# KiCad board panel_mousebites.kicad_pcb (continued)
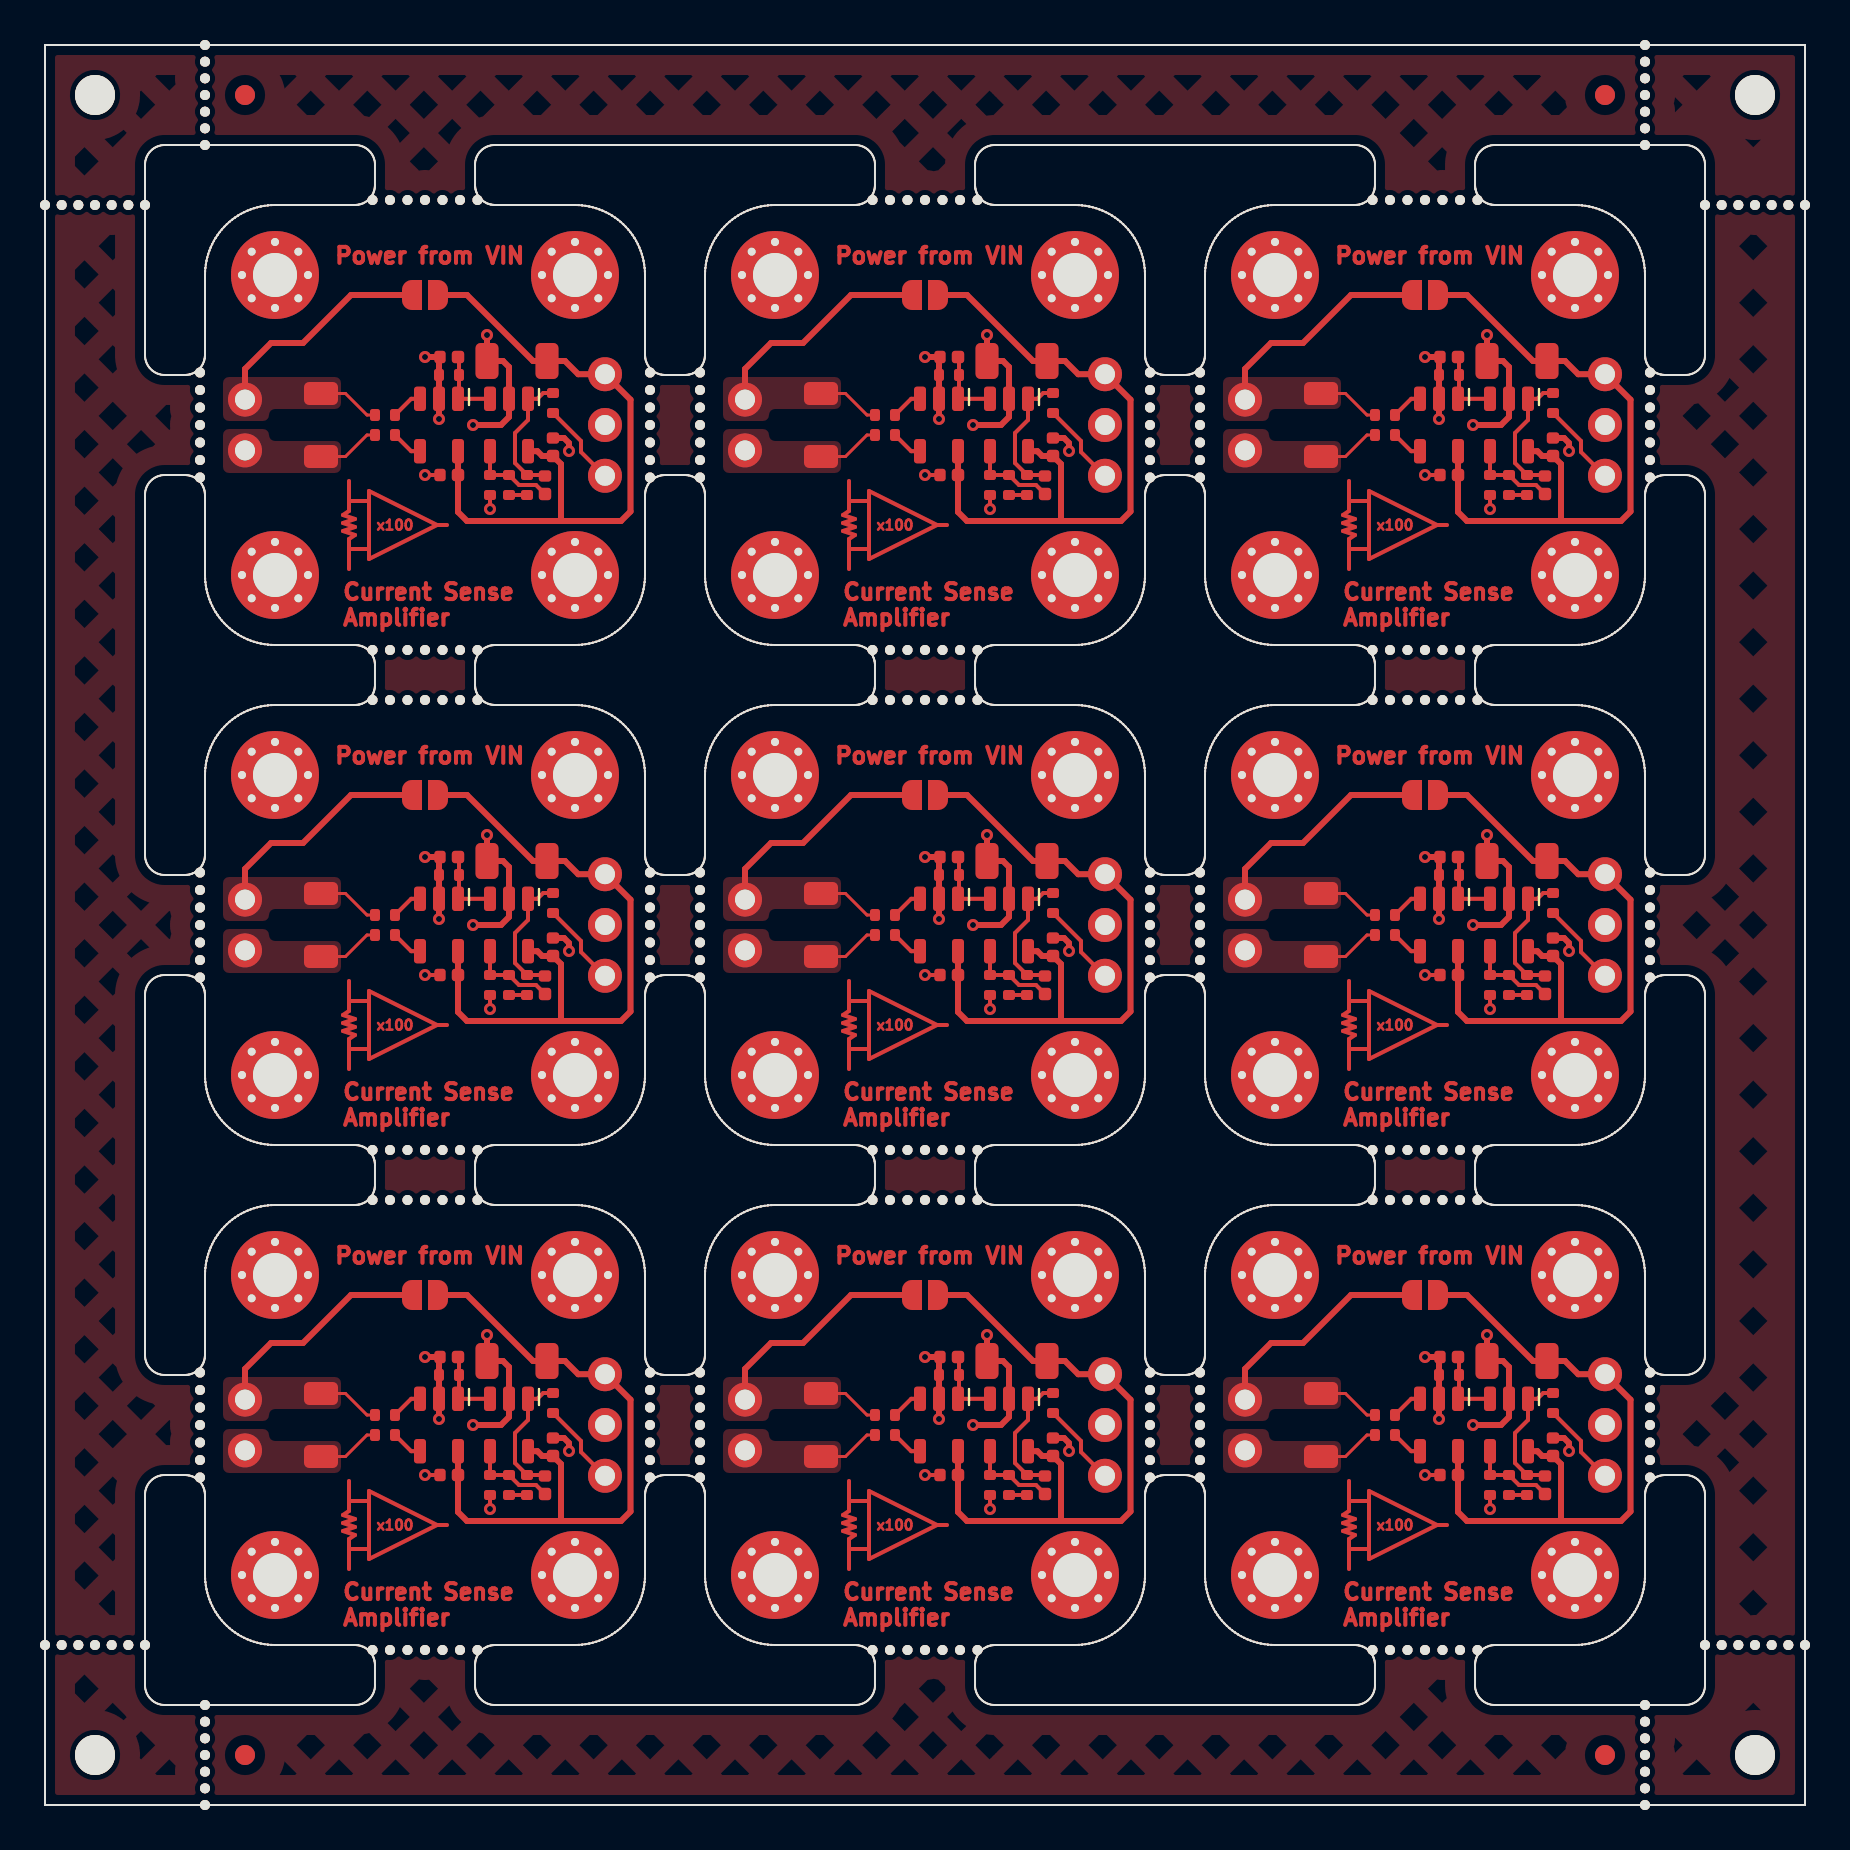
[diagram p0: board, top side]
## Placement (name value [footprint] x y rotation side) (continued)
REF**#129  -  [NPTH]  17.25 32.75 0 top
REF**#130  -  [NPTH]  41.37 55.25 0 top
REF**#131  -  [NPTH]  57.75 66.37 0 top
REF**#132  -  [NPTH]  30.25 70.75 0 top
REF**#133  -  [NPTH]  44.88 80.25 0 top
REF**#134  -  [NPTH]  8 1.67 0 top
REF**#135  -  [NPTH]  57.75 42.25 0 top
REF**#136  -  [NPTH]  55.25 41.37 0 top
REF**#137  -  [NPTH]  57.75 69 0 top
REF**#138  -  [NPTH]  32.75 66.37 0 top
REF**#139  -  [NPTH]  45.75 7.75 0 top
REF**#140  -  [NPTH]  21.63 32.75 0 top
REF**#141  -  [NPTH]  57.75 18.12 0 top
REF**#142  -  [NPTH]  30.25 16.37 0 top
REF**#143  -  [NPTH]  67.25 32.75 0 top
REF**#144  -  [NPTH]  8 87.17 0 top
REF**#145  -  [NPTH]  80.25 41.37 0 top
REF**#146  -  [NPTH]  80.25 44 0 top
REF**#147  -  [NPTH]  30.25 69.88 0 top
REF**#148  -  [NPTH]  80 5 0 top
REF**#149  -  [NPTH]  83 8 0 top
REF**#150  -  [NPTH]  68.12 7.75 0 top
REF**#151  -  [NPTH]  19.88 7.75 0 top
REF**#152  -  [NPTH]  66.37 55.25 0 top
REF**#153  -  [NPTH]  57.75 19.88 0 top
REF**#154  -  [NPTH]  80 0.83 0 top
REF**#155  -  [NPTH]  55.25 69 0 top
REF**#156  -  [NPTH]  8 86.33 0 top
REF**#157  -  [NPTH]  44.88 55.25 0 top
REF**#158  -  [NPTH]  80.25 67.25 0 top
REF**#159  -  [NPTH]  83.83 80 0 top
REF**#160  -  [NPTH]  8 4.17 0 top
REF**#161  -  [NPTH]  21.63 55.25 0 top
REF**#162  -  [Fiducial]  78 85.5 0 top
REF**#163  -  [NPTH]  32.75 45.75 0 top
REF**#164  -  [NPTH]  42.25 55.25 0 top
REF**#165  -  [NPTH]  80.25 42.25 0 top
REF**#166  -  [NPTH#2]  2.5 85.5 0 top
REF**#167  -  [NPTH]  69.88 7.75 0 top
REF**#168  -  [NPTH]  80 0 0 top
REF**#169  -  [NPTH]  4.17 80 0 top
REF**#170  -  [NPTH]  55.25 42.25 0 top
REF**#171  -  [NPTH]  30.25 66.37 0 top
REF**#172  -  [NPTH]  44.88 30.25 0 top
REF**#173  -  [NPTH]  32.75 71.63 0 top
REF**#174  -  [NPTH]  21.63 80.25 0 top
REF**#175  -  [NPTH]  70.75 30.25 0 top
REF**#176  -  [NPTH]  16.37 55.25 0 top
REF**#177  -  [NPTH]  8 85.5 0 top
REF**#178  -  [NPTH]  55.25 16.37 0 top
REF**#179  -  [NPTH]  45.75 55.25 0 top
REF**#180  -  [NPTH]  69.88 80.25 0 top
REF**#181  -  [NPTH]  7.75 42.25 0 top
REF**#182  -  [NPTH]  16.37 30.25 0 top
REF**#183  -  [NPTH]  30.25 18.12 0 top
REF**#184  -  [NPTH]  42.25 7.75 0 top
REF**#185  -  [NPTH]  44 7.75 0 top
REF**#186  -  [NPTH]  71.63 55.25 0 top
REF**#187  -  [NPTH]  44 80.25 0 top
REF**#188  -  [NPTH]  57.75 21.63 0 top
REF**#189  -  [NPTH]  55.25 71.63 0 top
REF**#190  -  [NPTH]  30.25 71.63 0 top
REF**#191  -  [NPTH]  43.12 30.25 0 top
REF**#192  -  [NPTH]  2.5 8 0 top
REF**#193  -  [NPTH]  66.37 80.25 0 top
REF**#194  -  [NPTH]  20.75 30.25 0 top
REF**#195  -  [NPTH]  69 57.75 0 top
REF**#196  -  [NPTH]  8 5 0 top
REF**#197  -  [NPTH]  17.25 57.75 0 top
REF**#198  -  [NPTH]  32.75 20.75 0 top
REF**#199  -  [NPTH]  55.25 68.12 0 top
REF**#200  -  [NPTH]  32.75 19 0 top
REF**#201  -  [NPTH]  32.75 16.37 0 top
REF**#202  -  [NPTH]  69 80.25 0 top
REF**#203  -  [NPTH]  19.88 30.25 0 top
REF**#204  -  [NPTH]  19 30.25 0 top
REF**#205  -  [NPTH]  55.25 46.63 0 top
REF**#206  -  [NPTH]  80.25 19.88 0 top
REF**#207  -  [NPTH]  80.25 66.37 0 top
REF**#208  -  [NPTH]  80 4.17 0 top
REF**#209  -  [NPTH]  57.75 44.88 0 top
REF**#210  -  [NPTH]  0 8 0 top
REF**#211  -  [NPTH]  66.37 7.75 0 top
REF**#212  -  [NPTH]  1.67 80 0 top
REF**#213  -  [NPTH]  30.25 45.75 0 top
REF**#214  -  [NPTH]  16.37 80.25 0 top
REF**#215  -  [NPTH]  18.12 55.25 0 top
REF**#216  -  [NPTH]  55.25 18.12 0 top
REF**#217  -  [NPTH]  57.75 46.63 0 top
REF**#218  -  [NPTH]  7.75 71.63 0 top
REF**#219  -  [NPTH]  7.75 69 0 top
REF**#220  -  [NPTH]  0.83 8 0 top
REF**#221  -  [NPTH]  70.75 7.75 0 top
REF**#222  -  [NPTH]  19 55.25 0 top
REF**#223  -  [NPTH]  30.25 67.25 0 top
REF**#224  -  [NPTH]  69.88 32.75 0 top
REF**#225  -  [NPTH]  45.75 30.25 0 top
REF**#226  -  [NPTH]  41.37 80.25 0 top
REF**#227  -  [NPTH]  69.88 57.75 0 top
REF**#228  -  [NPTH]  7.75 20.75 0 top
REF**#229  -  [NPTH]  42.25 57.75 0 top
REF**#230  -  [NPTH]  7.75 44 0 top
REF**#231  -  [NPTH]  57.75 69.88 0 top
REF**#232  -  [NPTH]  18.12 80.25 0 top
REF**#233  -  [NPTH]  41.37 7.75 0 top
REF**#234  -  [NPTH]  41.37 32.75 0 top
REF**#235  -  [NPTH]  46.63 55.25 0 top
REF**#236  -  [NPTH]  17.25 55.25 0 top
REF**#237  -  [NPTH]  68.12 30.25 0 top
REF**#238  -  [NPTH]  70.75 55.25 0 top
REF**#239  -  [NPTH]  69 32.75 0 top
REF**#240  -  [NPTH]  70.75 57.75 0 top
REF**#241  -  [NPTH]  80.25 69 0 top
REF**#242  -  [NPTH]  7.75 66.37 0 top
REF**#243  -  [NPTH]  19 80.25 0 top
REF**#244  -  [NPTH]  20.75 32.75 0 top
REF**#245  -  [NPTH]  68.12 55.25 0 top
REF**#246  -  [NPTH]  44.88 57.75 0 top
REF**#247  -  [NPTH]  8 0 0 top
REF**#248  -  [NPTH]  67.25 57.75 0 top
REF**#249  -  [NPTH]  19.88 55.25 0 top
REF**#250  -  [NPTH]  45.75 80.25 0 top
REF**#251  -  [NPTH]  71.63 30.25 0 top
REF**#252  -  [NPTH]  21.63 7.75 0 top
REF**#253  -  [NPTH]  57.75 16.37 0 top
REF**#254  -  [NPTH]  8 2.5 0 top
REF**#255  -  [NPTH]  44.88 32.75 0 top
REF**#256  -  [NPTH]  80 84.67 0 top
REF**#257  -  [NPTH]  55.25 69.88 0 top
REF**#258  -  [NPTH]  32.75 67.25 0 top
REF**#259  -  [NPTH]  55.25 20.75 0 top
REF**#260  -  [NPTH]  83 80 0 top
REF**#261  -  [NPTH]  45.75 32.75 0 top
REF**#262  -  [NPTH]  18.12 57.75 0 top
REF**#263  -  [NPTH]  19.88 32.75 0 top
REF**#264  -  [NPTH]  86.33 80 0 top
REF**#265  -  [NPTH]  30.25 43.12 0 top
REF**#266  -  [NPTH]  30.25 19.88 0 top
REF**#267  -  [NPTH]  80.25 44.88 0 top
REF**#268  -  [NPTH]  32.75 18.12 0 top
REF**#269  -  [NPTH]  57.75 17.25 0 top
REF**#270  -  [NPTH]  7.75 70.75 0 top
REF**#271  -  [Fiducial]  10 2.5 0 top
REF**#272  -  [NPTH]  55.25 44 0 top
REF**#273  -  [NPTH]  41.37 57.75 0 top
REF**#274  -  [NPTH]  85.5 8 0 top
REF**#275  -  [NPTH]  71.63 57.75 0 top
REF**#276  -  [NPTH]  41.37 30.25 0 top
REF**#277  -  [NPTH]  57.75 67.25 0 top
REF**#278  -  [NPTH]  8 3.33 0 top
REF**#279  -  [NPTH]  8 83.83 0 top
REF**#280  -  [NPTH]  19.88 80.25 0 top
REF**#281  -  [NPTH]  42.25 30.25 0 top
REF**#282  -  [NPTH]  71.63 7.75 0 top
REF**#283  -  [NPTH]  30.25 68.12 0 top
REF**#284  -  [NPTH]  30.25 20.75 0 top
REF**#285  -  [NPTH]  84.67 80 0 top
REF**#286  -  [NPTH]  80 83.83 0 top
REF**#287  -  [NPTH]  7.75 21.63 0 top
REF**#288  -  [NPTH]  16.37 32.75 0 top
REF**#289  -  [NPTH]  7.75 19 0 top
REF**#290  -  [NPTH]  43.12 7.75 0 top
REF**#291  -  [NPTH]  7.75 41.37 0 top
REF**#292  -  [NPTH]  32.75 42.25 0 top
REF**#293  -  [NPTH]  55.25 43.12 0 top
REF**#294  -  [NPTH]  55.25 45.75 0 top
REF**#295  -  [NPTH]  80.25 21.63 0 top
REF**#296  -  [NPTH]  17.25 7.75 0 top
REF**#297  -  [NPTH]  8 0.83 0 top
REF**#298  -  [NPTH#2]  85.5 2.5 0 top
REF**#299  -  [NPTH]  18.12 7.75 0 top
REF**#300  -  [NPTH]  8 88 0 top
REF**#301  -  [NPTH]  80.25 70.75 0 top
REF**#302  -  [NPTH]  46.63 7.75 0 top
REF**#303  -  [NPTH]  7.75 19.88 0 top
REF**#304  -  [NPTH]  30.25 17.25 0 top
REF**#305  -  [NPTH]  32.75 41.37 0 top
REF**#306  -  [NPTH]  80 1.67 0 top
REF**#307  -  [NPTH]  44 57.75 0 top
REF**#308  -  [NPTH]  66.37 30.25 0 top
REF**#309  -  [NPTH]  87.17 80 0 top
REF**#310  -  [NPTH]  46.63 32.75 0 top
REF**#311  -  [NPTH]  19 7.75 0 top
REF**#312  -  [NPTH]  20.75 80.25 0 top
REF**#313  -  [NPTH]  80 85.5 0 top
REF**#314  -  [NPTH]  80 2.5 0 top
REF**#315  -  [NPTH]  69 55.25 0 top
REF**#316  -  [NPTH]  70.75 32.75 0 top
REF**#317  -  [Fiducial]  78 85.5 0 bottom
REF**#318  -  [Fiducial]  78 2.5 0 bottom
REF**#319  -  [Fiducial]  10 2.5 0 bottom
REF**#320  -  [Fiducial]  10 85.5 0 bottom
U1  LT6106  [SOT-23-5]  19.7 44 270 top
U1#2  LT6106  [SOT-23-5]  44.7 69 270 top
U1#3  LT6106  [SOT-23-5]  69.7 69 270 top
U1#4  LT6106  [SOT-23-5]  19.7 69 270 top
U1#5  LT6106  [SOT-23-5]  19.7 19 270 top
U1#6  LT6106  [SOT-23-5]  69.7 44 270 top
U1#7  LT6106  [SOT-23-5]  69.7 19 270 top
U1#8  LT6106  [SOT-23-5]  44.7 19 270 top
U1#9  LT6106  [SOT-23-5]  44.7 44 270 top
U2  OPA189  [SOT-23-5]  73.2 69 270 top
U2#2  OPA189  [SOT-23-5]  23.2 44 270 top
U2#3  OPA189  [SOT-23-5]  73.2 44 270 top
U2#4  OPA189  [SOT-23-5]  23.2 69 270 top
U2#5  OPA189  [SOT-23-5]  23.2 19 270 top
U2#6  OPA189  [SOT-23-5]  73.2 19 270 top
U2#7  OPA189  [SOT-23-5]  48.2 19 270 top
U2#8  OPA189  [SOT-23-5]  48.2 69 270 top
U2#9  OPA189  [SOT-23-5]  48.2 44 270 top

## Library data of the parts
C1 C1#2-C1#9 = -: Description: 2.2uF-10%-1206-X7R-50V; Distributor: Mouser; Distributor Part Number: 80-C1206C225K5R; Manufacturer: KEMET; Manufacturer Part Number: C1206C225K5RACTU
C2 C2#2-C2#9 C3 C3#2-C3#9 C5 C5#2-C5#9 = -: Description: 100nF-20%-0402-X7R-25V; Distributor: Mouser; Distributor Part Number: 80-C0402C104M3R; Manufacturer: KEMET; Manufacturer Part Number: C0402C104M3RACTU
C4 C4#2-C4#9 = -: Description: 22pF-5%-0402-C0G-50V; Distributor: Mouser; Distributor Part Number: 80-C0402C220J5G; Manufacturer: KEMET; Manufacturer Part Number: C0402C220J5GACTU
J1 J1#2-J1#9 = -: Description: PCB Header Strips 2.54mm pitch; Distributor: Mouser; Distributor Part Number: 200-TSW10208FS; Manufacturer: Samtec; Manufacturer Part Number: TSW-102-08-F-S
J2 J2#2-J2#9 = -: Description: PCB Header Strips 2.54mm pitch; Distributor: Mouser; Distributor Part Number: 200-TSW10308FS; Manufacturer: Samtec; Manufacturer Part Number: TSW-103-08-F-S
R1 R1#2-R1#9 = -: Description: 1R-0.1%-1206-125mW-25ppm; Distributor: Mouser; Distributor Part Number: 279-CPF1206B1R0E1; Manufacturer: TE Connectivity / Holsworthy; Manufacturer Part Number: CPF1206B1R0E1
R2 R2#2-R2#9 R3 R3#2-R3#9 = -: Description: 100R-0.05%-0402-62.5mW-10ppm; Distributor: Mouser; Distributor Part Number: 754-RG1005N-101-WT5; Manufacturer: Susumu; Manufacturer Part Number: RG1005N-101-W-T5
R4 R4#2-R4#9 R5 R5#2-R5#9 = -: Description: 1k-0.05%-0402-62.5mW-5ppm; Distributor: Mouser; Distributor Part Number: 754-RG1005V-102-WT1; Manufacturer: Susumu; Manufacturer Part Number: RG1005V-102-W-T1
R6 R6#2-R6#9 = -: Description: 6.8k-0.05%-0402-100mW-10ppm; Distributor: Digikey; Distributor Part Number: 10-ERA-2VRW6801XCT-ND; Manufacturer: Panasonic Electronic Components; Manufacturer Part Number: ERA-2VRW6801X
R7 R7#2-R7#9 = -: Description: 2.2k-0.05%-0402-100mW-10ppm; Distributor: Digikey; Distributor Part Number: 10-ERA-2VRW2201XCT-ND; Manufacturer: Panasonic Electronic Components; Manufacturer Part Number: ERA-2VRW2201X
R8 R8#2-R8#9 = -: Description: 220R-1%-0402-62.5mW-100ppm; Distributor: Mouser; Distributor Part Number: 603-RC0402FR-13220RL; Manufacturer: YAGEO; Manufacturer Part Number: RC0402FR-13220RL
U1 U1#2-U1#9 = -: Description: 36V Low Cost High Side Current Sensor; Distributor: Mouser; Distributor Part Number: 584-LT6106IS5#TRMPBF; Manufacturer: Analog Devices; Manufacturer Part Number: LT6106IS5#TRMPBF
U2 U2#2-U2#9 = -: Description: Precision Amplifier; Distributor: Mouser; Distributor Part Number: 595-OPA189IDBVR; Manufacturer: Texas Instruments; Manufacturer Part Number: OPA189IDBVR

## Footprints (pads in the part's own frame, mm; a bottom-side part is the same pattern mirrored in y, then rotated)
C_0402_(1005_Metric)
  rrect 0.62x0.62 smd: 1(-0.45,0)
  rrect 0.56x0.62 smd: 2(0.45,0)
C_1206_(3216_Metric)
  rrect 1.15x1.8 smd: 1(-1.5,0) 2(1.5,0)
Fiducial
  round 1 smd: (0,0)
MountingHole_M2
  round 0.7 hole 0.4: 1(-1.65,0) 1(-1.167,1.167) 1(-1.167,-1.167) 1(0,1.65) 1(0,-1.65) 1(1.167,1.167) 1(1.167,-1.167) 1(1.65,0)
  round 4.4 hole 2.2: 1(0,0)
NPTH
  round 0.5 hole 0.5 unplated: (0,0)
NPTH#2
  round 2 hole 2 unplated: (0,0)
PinHeader_1x02_P2.54mm_Vertical
  round 1.7 hole 1: 1(0,0)
  oval 1.7x1.7 hole 1: 2(0,-2.54)
PinHeader_1x03_P2.54mm_Vertical
  round 1.7 hole 1: 1(0,0)
  oval 1.7x1.7 hole 1: 2(0,-2.54) 3(0,-5.08)
R_0402_(1005_Metric)
  rrect 0.5x0.6 smd: 1(-0.5,0) 2(0.5,0)
R_1206_(3216_Metric)
  rrect 1.15x1.7 smd: 1(-1.575,0) 2(1.575,0)
SolderJumper-2
  custom 1x1.5 smd: 1(-0.65,0) 2(0.65,0)
SOT-23-5
  rrect 1.22x0.6 smd: 1(-1.31,0.95) 2(-1.31,0) 3(-1.31,-0.95) 4(1.31,-0.95) 5(1.31,0.95)

## Nets
Board_0-GND: C1#2.2 C2.2 C3#2.2 C5#5.2 J2#7.2 R4#8.1 R5#8.1 U1#4.2 U2#4.2
Board_0-Net-(C4-Pad2): C4#2.2 R7#3.2 R8#6.1 U2#4.1
Board_0-Net-(J1-Pad2): J1#7.2 R1#7.2 R3#2.1
Board_0-Net-(J2-Pad3): J2#7.3 R8#6.2
Board_0-Net-(R6-Pad2): R6#8.2 R7#3.1
Board_0-Net-(U1-+): R3#2.2 U1#4.4
Board_0-Net-(U1--): R2#4.2 U1#4.3
Board_0-Net-(U2-+): C5#5.1 R4#8.2 U1#4.1 U2#4.3
Board_0-Net-(U2--): C4#2.1 R5#8.2 R6#8.1 U2#4.4
Board_0-VCC: C1#2.1 C2.1 C3#2.1 J2#7.1 JP1#2.2 U1#4.5 U2#4.5
Board_0-VIN: J1#7.1 JP1#2.1 R1#7.1 R2#4.1
Board_1-GND: C1#4.2 C2#9.2 C3#9.2 C5#2.2 J2#3.2 R4#2.1 R5#4.1 U1#2.2 U2#8.2
Board_1-Net-(C4-Pad2): C4#3.2 R7.2 R8#3.1 U2#8.1
Board_1-Net-(J1-Pad2): J1#8.2 R1#4.2 R3#8.1
Board_1-Net-(J2-Pad3): J2#3.3 R8#3.2
Board_1-Net-(R6-Pad2): R6#2.2 R7.1
Board_1-Net-(U1-+): R3#8.2 U1#2.4
Board_1-Net-(U1--): R2#9.2 U1#2.3
Board_1-Net-(U2-+): C5#2.1 R4#2.2 U1#2.1 U2#8.3
Board_1-Net-(U2--): C4#3.1 R5#4.2 R6#2.1 U2#8.4
Board_1-VCC: C1#4.1 C2#9.1 C3#9.1 J2#3.1 JP1#8.2 U1#2.5 U2#8.5
Board_1-VIN: J1#8.1 JP1#8.1 R1#4.1 R2#9.1
Board_2-GND: C1#5.2 C2#8.2 C3#4.2 C5#4.2 J2#5.2 R4#4.1 R5#9.1 U1#3.2 U2.2
Board_2-Net-(C4-Pad2): C4#4.2 R7#4.2 R8#2.1 U2.1
Board_2-Net-(J1-Pad2): J1#2.2 R1#3.2 R3.1
Board_2-Net-(J2-Pad3): J2#5.3 R8#2.2
Board_2-Net-(R6-Pad2): R6#3.2 R7#4.1
Board_2-Net-(U1-+): R3.2 U1#3.4
Board_2-Net-(U1--): R2#7.2 U1#3.3
Board_2-Net-(U2-+): C5#4.1 R4#4.2 U1#3.1 U2.3
Board_2-Net-(U2--): C4#4.1 R5#9.2 R6#3.1 U2.4
Board_2-VCC: C1#5.1 C2#8.1 C3#4.1 J2#5.1 JP1#4.2 U1#3.5 U2.5
Board_2-VIN: J1#2.1 JP1#4.1 R1#3.1 R2#7.1
Board_3-GND: C1#9.2 C2#5.2 C3#3.2 C5#7.2 J2#2.2 R4#7.1 R5#5.1 U1.2 U2#2.2
Board_3-Net-(C4-Pad2): C4.2 R7#7.2 R8#5.1 U2#2.1
Board_3-Net-(J1-Pad2): J1#5.2 R1#9.2 R3#9.1
Board_3-Net-(J2-Pad3): J2#2.3 R8#5.2
Board_3-Net-(R6-Pad2): R6#4.2 R7#7.1
Board_3-Net-(U1-+): R3#9.2 U1.4
Board_3-Net-(U1--): R2.2 U1.3
Board_3-Net-(U2-+): C5#7.1 R4#7.2 U1.1 U2#2.3
Board_3-Net-(U2--): C4.1 R5#5.2 R6#4.1 U2#2.4
Board_3-VCC: C1#9.1 C2#5.1 C3#3.1 J2#2.1 JP1#5.2 U1.5 U2#2.5
Board_3-VIN: J1#5.1 JP1#5.1 R1#9.1 R2.1
Board_4-GND: C1#7.2 C2#2.2 C3.2 C5#9.2 J2#6.2 R4#6.1 R5#2.1 U1#9.2 U2#9.2
Board_4-Net-(C4-Pad2): C4#7.2 R7#2.2 R8#9.1 U2#9.1
Board_4-Net-(J1-Pad2): J1#9.2 R1#2.2 R3#5.1
Board_4-Net-(J2-Pad3): J2#6.3 R8#9.2
Board_4-Net-(R6-Pad2): R6#7.2 R7#2.1
Board_4-Net-(U1-+): R3#5.2 U1#9.4
Board_4-Net-(U1--): R2#2.2 U1#9.3
Board_4-Net-(U2-+): C5#9.1 R4#6.2 U1#9.1 U2#9.3
Board_4-Net-(U2--): C4#7.1 R5#2.2 R6#7.1 U2#9.4
Board_4-VCC: C1#7.1 C2#2.1 C3.1 J2#6.1 JP1#9.2 U1#9.5 U2#9.5
Board_4-VIN: J1#9.1 JP1#9.1 R1#2.1 R2#2.1
Board_5-GND: C1.2 C2#4.2 C3#6.2 C5#3.2 J2#4.2 R4.1 R5#3.1 U1#6.2 U2#3.2
Board_5-Net-(C4-Pad2): C4#5.2 R7#6.2 R8.1 U2#3.1
Board_5-Net-(J1-Pad2): J1#3.2 R1#5.2 R3#4.1
Board_5-Net-(J2-Pad3): J2#4.3 R8.2
Board_5-Net-(R6-Pad2): R6#9.2 R7#6.1
Board_5-Net-(U1-+): R3#4.2 U1#6.4
Board_5-Net-(U1--): R2#3.2 U1#6.3
Board_5-Net-(U2-+): C5#3.1 R4.2 U1#6.1 U2#3.3
Board_5-Net-(U2--): C4#5.1 R5#3.2 R6#9.1 U2#3.4
Board_5-VCC: C1.1 C2#4.1 C3#6.1 J2#4.1 JP1#7.2 U1#6.5 U2#3.5
Board_5-VIN: J1#3.1 JP1#7.1 R1#5.1 R2#3.1
Board_6-GND: C1#8.2 C2#6.2 C3#7.2 C5#8.2 J2.2 R4#9.1 R5.1 U1#5.2 U2#5.2
Board_6-Net-(C4-Pad2): C4#8.2 R7#8.2 R8#7.1 U2#5.1
Board_6-Net-(J1-Pad2): J1.2 R1.2 R3#3.1
Board_6-Net-(J2-Pad3): J2.3 R8#7.2
Board_6-Net-(R6-Pad2): R6#6.2 R7#8.1
Board_6-Net-(U1-+): R3#3.2 U1#5.4
Board_6-Net-(U1--): R2#5.2 U1#5.3
Board_6-Net-(U2-+): C5#8.1 R4#9.2 U1#5.1 U2#5.3
Board_6-Net-(U2--): C4#8.1 R5.2 R6#6.1 U2#5.4
Board_6-VCC: C1#8.1 C2#6.1 C3#7.1 J2.1 JP1#3.2 U1#5.5 U2#5.5
Board_6-VIN: J1.1 JP1#3.1 R1.1 R2#5.1
Board_7-GND: C1#3.2 C2#3.2 C3#8.2 C5.2 J2#8.2 R4#5.1 R5#6.1 U1#8.2 U2#7.2
Board_7-Net-(C4-Pad2): C4#9.2 R7#9.2 R8#8.1 U2#7.1
Board_7-Net-(J1-Pad2): J1#4.2 R1#6.2 R3#7.1
Board_7-Net-(J2-Pad3): J2#8.3 R8#8.2
Board_7-Net-(R6-Pad2): R6.2 R7#9.1
Board_7-Net-(U1-+): R3#7.2 U1#8.4
Board_7-Net-(U1--): R2#6.2 U1#8.3
Board_7-Net-(U2-+): C5.1 R4#5.2 U1#8.1 U2#7.3
Board_7-Net-(U2--): C4#9.1 R5#6.2 R6.1 U2#7.4
Board_7-VCC: C1#3.1 C2#3.1 C3#8.1 J2#8.1 JP1.2 U1#8.5 U2#7.5
Board_7-VIN: J1#4.1 JP1.1 R1#6.1 R2#6.1
Board_8-GND: C1#6.2 C2#7.2 C3#5.2 C5#6.2 J2#9.2 R4#3.1 R5#7.1 U1#7.2 U2#6.2
Board_8-Net-(C4-Pad2): C4#6.2 R7#5.2 R8#4.1 U2#6.1
Board_8-Net-(J1-Pad2): J1#6.2 R1#8.2 R3#6.1
Board_8-Net-(J2-Pad3): J2#9.3 R8#4.2
Board_8-Net-(R6-Pad2): R6#5.2 R7#5.1
Board_8-Net-(U1-+): R3#6.2 U1#7.4
Board_8-Net-(U1--): R2#8.2 U1#7.3
Board_8-Net-(U2-+): C5#6.1 R4#3.2 U1#7.1 U2#6.3
Board_8-Net-(U2--): C4#6.1 R5#7.2 R6#5.1 U2#6.4
Board_8-VCC: C1#6.1 C2#7.1 C3#5.1 J2#9.1 JP1#6.2 U1#7.5 U2#6.5
Board_8-VIN: J1#6.1 JP1#6.1 R1#8.1 R2#8.1

Pads without a net: H1 1; H1#2 1; H1#3 1; H1#4 1; H1#5 1; H1#6 1; H1#7 1; H1#8 1; H1#9 1; H2 1; H2#2 1; H2#3 1; H2#4 1; H2#5 1; H2#6 1; H2#7 1; H2#8 1; H2#9 1; H3 1; H3#2 1; H3#3 1; H3#4 1; H3#5 1; H3#6 1; H3#7 1; H3#8 1; H3#9 1; H4 1; H4#2 1; H4#3 1; H4#4 1; H4#5 1; H4#6 1; H4#7 1; H4#8 1; H4#9 1

## Via types
v1: diameter 0.6, hole 0.3, Top to Bottom, 63 vias

## Routing (per net, layer and track width the routed paths; a pad name or vN(x,y) marks a point on that pad's centre or on a via; arc(x,y) is an arc through that point)
Board_0-GND: length 13.6
  Top w0.2: C2.2 v1(19,66.5) ; R5#8.1 v1(22.25,64.8)
  Top w0.3: v1(19,72.4) C5#5.2 19.7,72.35 R4#8.1 U1#4.2 v1(19.7,69.3) ; v1(26.2,67.7) 26.2,68.1 25.95,68.35 C3#2.2 ; v1(21.4,69) 22.8,69 23.2,69.4 U2#4.2 23.2,71.9 22.9,72.2 C1#2.2 v1(22.1,73.5)
Board_0-Net-(C4-Pad2): length 6.6
  Top w0.2: R8#6.1 24.91,70.6 24.62,70.31 U2#4.1 24.15,69.25 23.5,68.6 23.5,67.1 R7#3.2 24.95,66.5 C4#2.2
Board_0-Net-(J1-Pad2): length 3.1
  Top w0.15: R1#7.2 15.03,67.42 16.1,68.5 R3#2.1
Board_0-Net-(J2-Pad3): length 4.2
  Top w0.2: J2#7.3 27.99,66.46 26.8,67.65 26.8,68.2 R8#6.2
Board_0-Net-(R6-Pad2): length 0.9
  Top w0.2: R7#3.1 R6#8.2
Board_0-Net-(U1-+): length 1.6
  Top w0.2: U1#4.4 18.31,67.69 R3#2.2
Board_0-Net-(U1--): length 1.6
  Top w0.2: R2#4.2 18.31,70.31 U1#4.3
Board_0-Net-(U2-+): length 3.7
  Top w0.2: U2#4.3 U1#4.1 20.7,70.36 R4#8.2 20.7,72.35 C5#5.1
Board_0-Net-(U2--): length 4.3
  Top w0.2: U2#4.4 R5#8.2 R6#8.1 23.7,66 24.55,66 C4#2.1
Board_0-VCC: length 34.2
  Top w0.3: U2#4.5 24.62,67.69 24.86,67.45 C3#2.1 25.8,67.05 25.8,64.2 ; JP1#2.2 21.1,75.5 24.4,72.2 C1#2.1 26,72.2 26.66,71.54 J2#7.1 29.28,70.27 29.28,64.67 28.8,64.2 21.1,64.2 20.65,64.65 C2.1 U1#4.5
Board_0-VIN: length 14.6
  Top w0.15: R2#4.1 16.1,69.5 15.03,70.58 R1#7.1
  Top w0.3: J1#7.1 10,71.8 11.3,73.1 12.9,73.1 15.3,75.5 JP1#2.1
Board_1-GND: length 13.6
  Top w0.2: R5#4.1 v1(47.25,64.8) ; C2#9.2 v1(44,66.5)
  Top w0.3: C3#9.2 50.95,68.35 51.2,68.1 v1(51.2,67.7) ; v1(44,72.4) C5#2.2 44.7,72.35 R4#2.1 U1#2.2 v1(44.7,69.3) ; v1(47.1,73.5) C1#4.2 47.9,72.2 48.2,71.9 U2#8.2 48.2,69.4 47.8,69 v1(46.4,69)
Board_1-Net-(C4-Pad2): length 6.6
  Top w0.2: C4#3.2 49.95,66.5 R7.2 48.5,67.1 48.5,68.6 49.15,69.25 U2#8.1 49.62,70.31 49.91,70.6 R8#3.1
Board_1-Net-(J1-Pad2): length 3.1
  Top w0.15: R3#8.1 41.1,68.5 40.03,67.42 R1#4.2
Board_1-Net-(J2-Pad3): length 4.2
  Top w0.2: R8#3.2 51.8,68.2 51.8,67.65 52.99,66.46 J2#3.3
Board_1-Net-(R6-Pad2): length 0.9
  Top w0.2: R7.1 R6#2.2
Board_1-Net-(U1-+): length 1.6
  Top w0.2: U1#2.4 43.31,67.69 R3#8.2
Board_1-Net-(U1--): length 1.6
  Top w0.2: U1#2.3 43.31,70.31 R2#9.2
Board_1-Net-(U2-+): length 3.7
  Top w0.2: U2#8.3 U1#2.1 45.7,70.36 R4#2.2 45.7,72.35 C5#2.1
Board_1-Net-(U2--): length 4.3
  Top w0.2: C4#3.1 49.55,66 48.7,66 R6#2.1 R5#4.2 U2#8.4
Board_1-VCC: length 34.2
  Top w0.3: U2#8.5 49.62,67.69 49.86,67.45 C3#9.1 50.8,67.05 50.8,64.2 ; JP1#8.2 46.1,75.5 49.4,72.2 C1#4.1 51,72.2 51.66,71.54 J2#3.1 54.28,70.27 54.28,64.67 53.8,64.2 46.1,64.2 45.65,64.65 C2#9.1 U1#2.5
Board_1-VIN: length 14.6
  Top w0.15: R1#4.1 40.03,70.58 41.1,69.5 R2#9.1
  Top w0.3: J1#8.1 35,71.8 36.3,73.1 37.9,73.1 40.3,75.5 JP1#8.1
Board_2-GND: length 13.6
  Top w0.2: C2#8.2 v1(69,66.5) ; R5#9.1 v1(72.25,64.8)
  Top w0.3: v1(71.4,69) 72.8,69 73.2,69.4 U2.2 73.2,71.9 72.9,72.2 C1#5.2 v1(72.1,73.5) ; v1(69.7,69.3) U1#3.2 R4#4.1 69.7,72.35 C5#4.2 v1(69,72.4) ; C3#4.2 75.95,68.35 76.2,68.1 v1(76.2,67.7)
Board_2-Net-(C4-Pad2): length 6.6
  Top w0.2: R8#2.1 74.91,70.6 74.62,70.31 U2.1 74.15,69.25 73.5,68.6 73.5,67.1 R7#4.2 74.95,66.5 C4#4.2
Board_2-Net-(J1-Pad2): length 3.1
  Top w0.15: R1#3.2 65.03,67.42 66.1,68.5 R3.1
Board_2-Net-(J2-Pad3): length 4.2
  Top w0.2: R8#2.2 76.8,68.2 76.8,67.65 77.99,66.46 J2#5.3
Board_2-Net-(R6-Pad2): length 0.9
  Top w0.2: R7#4.1 R6#3.2
Board_2-Net-(U1-+): length 1.6
  Top w0.2: R3.2 68.31,67.69 U1#3.4
Board_2-Net-(U1--): length 1.6
  Top w0.2: R2#7.2 68.31,70.31 U1#3.3
Board_2-Net-(U2-+): length 3.7
  Top w0.2: C5#4.1 70.7,72.35 R4#4.2 70.7,70.36 U1#3.1 U2.3
Board_2-Net-(U2--): length 4.3
  Top w0.2: C4#4.1 74.55,66 73.7,66 R6#3.1 R5#9.2 U2.4
Board_2-VCC: length 34.2
  Top w0.3: U2.5 74.62,67.69 74.86,67.45 C3#4.1 75.8,67.05 75.8,64.2 ; U1#3.5 C2#8.1 70.65,64.65 71.1,64.2 78.8,64.2 79.28,64.67 79.28,70.27 J2#5.1 76.66,71.54 76,72.2 C1#5.1 74.4,72.2 71.1,75.5 JP1#4.2
Board_2-VIN: length 14.6
  Top w0.15: R2#7.1 66.1,69.5 65.03,70.58 R1#3.1
  Top w0.3: J1#2.1 60,71.8 61.3,73.1 62.9,73.1 65.3,75.5 JP1#4.1
Board_3-GND: length 13.6
  Top w0.2: R5#5.1 v1(22.25,39.8) ; C2#5.2 v1(19,41.5)
  Top w0.3: C3#3.2 25.95,43.35 26.2,43.1 v1(26.2,42.7) ; v1(22.1,48.5) C1#9.2 22.9,47.2 23.2,46.9 U2#2.2 23.2,44.4 22.8,44 v1(21.4,44) ; v1(19.7,44.3) U1.2 R4#7.1 19.7,47.35 C5#7.2 v1(19,47.4)
Board_3-Net-(C4-Pad2): length 6.6
  Top w0.2: C4.2 24.95,41.5 R7#7.2 23.5,42.1 23.5,43.6 24.15,44.25 U2#2.1 24.62,45.31 24.91,45.6 R8#5.1
Board_3-Net-(J1-Pad2): length 3.1
  Top w0.15: R1#9.2 15.03,42.42 16.1,43.5 R3#9.1
Board_3-Net-(J2-Pad3): length 4.2
  Top w0.2: R8#5.2 26.8,43.2 26.8,42.65 27.99,41.46 J2#2.3
Board_3-Net-(R6-Pad2): length 0.9
  Top w0.2: R7#7.1 R6#4.2
Board_3-Net-(U1-+): length 1.6
  Top w0.2: R3#9.2 18.31,42.69 U1.4
Board_3-Net-(U1--): length 1.6
  Top w0.2: U1.3 18.31,45.31 R2.2
Board_3-Net-(U2-+): length 3.7
  Top w0.2: C5#7.1 20.7,47.35 R4#7.2 20.7,45.36 U1.1 U2#2.3
Board_3-Net-(U2--): length 4.3
  Top w0.2: U2#2.4 R5#5.2 R6#4.1 23.7,41 24.55,41 C4.1
Board_3-VCC: length 34.2
  Top w0.3: 25.8,39.2 25.8,42.05 C3#3.1 24.86,42.45 24.62,42.69 U2#2.5 ; U1.5 C2#5.1 20.65,39.65 21.1,39.2 28.8,39.2 29.28,39.67 29.28,45.27 J2#2.1 26.66,46.54 26,47.2 C1#9.1 24.4,47.2 21.1,50.5 JP1#5.2
Board_3-VIN: length 14.6
  Top w0.15: R2.1 16.1,44.5 15.03,45.58 R1#9.1
  Top w0.3: JP1#5.1 15.3,50.5 12.9,48.1 11.3,48.1 10,46.8 J1#5.1
Board_4-GND: length 13.6
  Top w0.2: R5#2.1 v1(47.25,39.8) ; C2#2.2 v1(44,41.5)
  Top w0.3: v1(47.1,48.5) C1#7.2 47.9,47.2 48.2,46.9 U2#9.2 48.2,44.4 47.8,44 v1(46.4,44) ; v1(44,47.4) C5#9.2 44.7,47.35 R4#6.1 U1#9.2 v1(44.7,44.3) ; C3.2 50.95,43.35 51.2,43.1 v1(51.2,42.7)
Board_4-Net-(C4-Pad2): length 6.6
  Top w0.2: R8#9.1 49.91,45.6 49.62,45.31 U2#9.1 49.15,44.25 48.5,43.6 48.5,42.1 R7#2.2 49.95,41.5 C4#7.2
Board_4-Net-(J1-Pad2): length 3.1
  Top w0.15: R1#2.2 40.03,42.42 41.1,43.5 R3#5.1
Board_4-Net-(J2-Pad3): length 4.2
  Top w0.2: R8#9.2 51.8,43.2 51.8,42.65 52.99,41.46 J2#6.3
Board_4-Net-(R6-Pad2): length 0.9
  Top w0.2: R7#2.1 R6#7.2
Board_4-Net-(U1-+): length 1.6
  Top w0.2: R3#5.2 43.31,42.69 U1#9.4
Board_4-Net-(U1--): length 1.6
  Top w0.2: R2#2.2 43.31,45.31 U1#9.3
Board_4-Net-(U2-+): length 3.7
  Top w0.2: U2#9.3 U1#9.1 45.7,45.36 R4#6.2 45.7,47.35 C5#9.1
Board_4-Net-(U2--): length 4.3
  Top w0.2: U2#9.4 R5#2.2 R6#7.1 48.7,41 49.55,41 C4#7.1
Board_4-VCC: length 34.2
  Top w0.3: U1#9.5 C2#2.1 45.65,39.65 46.1,39.2 53.8,39.2 54.28,39.67 54.28,45.27 J2#6.1 51.66,46.54 51,47.2 C1#7.1 49.4,47.2 46.1,50.5 JP1#9.2 ; 50.8,39.2 50.8,42.05 C3.1 49.86,42.45 49.62,42.69 U2#9.5
Board_4-VIN: length 14.6
  Top w0.15: R2#2.1 41.1,44.5 40.03,45.58 R1#2.1
  Top w0.3: J1#9.1 35,46.8 36.3,48.1 37.9,48.1 40.3,50.5 JP1#9.1
Board_5-GND: length 13.6
  Top w0.2: C2#4.2 v1(69,41.5) ; R5#3.1 v1(72.25,39.8)
  Top w0.3: v1(72.1,48.5) C1.2 72.9,47.2 73.2,46.9 U2#3.2 73.2,44.4 72.8,44 v1(71.4,44) ; v1(69.7,44.3) U1#6.2 R4.1 69.7,47.35 C5#3.2 v1(69,47.4) ; C3#6.2 75.95,43.35 76.2,43.1 v1(76.2,42.7)
Board_5-Net-(C4-Pad2): length 6.6
  Top w0.2: R8.1 74.91,45.6 74.62,45.31 U2#3.1 74.15,44.25 73.5,43.6 73.5,42.1 R7#6.2 74.95,41.5 C4#5.2
Board_5-Net-(J1-Pad2): length 3.1
  Top w0.15: R1#5.2 65.03,42.42 66.1,43.5 R3#4.1
Board_5-Net-(J2-Pad3): length 4.2
  Top w0.2: R8.2 76.8,43.2 76.8,42.65 77.99,41.46 J2#4.3
Board_5-Net-(R6-Pad2): length 0.9
  Top w0.2: R7#6.1 R6#9.2
Board_5-Net-(U1-+): length 1.6
  Top w0.2: R3#4.2 68.31,42.69 U1#6.4
Board_5-Net-(U1--): length 1.6
  Top w0.2: U1#6.3 68.31,45.31 R2#3.2
Board_5-Net-(U2-+): length 3.7
  Top w0.2: C5#3.1 70.7,47.35 R4.2 70.7,45.36 U1#6.1 U2#3.3
Board_5-Net-(U2--): length 4.3
  Top w0.2: C4#5.1 74.55,41 73.7,41 R6#9.1 R5#3.2 U2#3.4
Board_5-VCC: length 34.2
  Top w0.3: JP1#7.2 71.1,50.5 74.4,47.2 C1.1 76,47.2 76.66,46.54 J2#4.1 79.28,45.27 79.28,39.67 78.8,39.2 71.1,39.2 70.65,39.65 C2#4.1 U1#6.5 ; 75.8,39.2 75.8,42.05 C3#6.1 74.86,42.45 74.62,42.69 U2#3.5
Board_5-VIN: length 14.6
  Top w0.15: R2#3.1 66.1,44.5 65.03,45.58 R1#5.1
  Top w0.3: J1#3.1 60,46.8 61.3,48.1 62.9,48.1 65.3,50.5 JP1#7.1
Board_6-GND: length 13.6
  Top w0.2: R5.1 v1(22.25,14.8) ; C2#6.2 v1(19,16.5)
  Top w0.3: v1(19,22.4) C5#8.2 19.7,22.35 R4#9.1 U1#5.2 v1(19.7,19.3) ; v1(26.2,17.7) 26.2,18.1 25.95,18.35 C3#7.2 ; v1(22.1,23.5) C1#8.2 22.9,22.2 23.2,21.9 U2#5.2 23.2,19.4 22.8,19 v1(21.4,19)
Board_6-Net-(C4-Pad2): length 6.6
  Top w0.2: C4#8.2 24.95,16.5 R7#8.2 23.5,17.1 23.5,18.6 24.15,19.25 U2#5.1 24.62,20.31 24.91,20.6 R8#7.1
Board_6-Net-(J1-Pad2): length 3.1
  Top w0.15: R3#3.1 16.1,18.5 15.03,17.42 R1.2
Board_6-Net-(J2-Pad3): length 4.2
  Top w0.2: J2.3 27.99,16.46 26.8,17.65 26.8,18.2 R8#7.2
Board_6-Net-(R6-Pad2): length 0.9
  Top w0.2: R7#8.1 R6#6.2
Board_6-Net-(U1-+): length 1.6
  Top w0.2: U1#5.4 18.31,17.69 R3#3.2
Board_6-Net-(U1--): length 1.6
  Top w0.2: R2#5.2 18.31,20.31 U1#5.3
Board_6-Net-(U2-+): length 3.7
  Top w0.2: C5#8.1 20.7,22.35 R4#9.2 20.7,20.36 U1#5.1 U2#5.3
Board_6-Net-(U2--): length 4.3
  Top w0.2: U2#5.4 R5.2 R6#6.1 23.7,16 24.55,16 C4#8.1
Board_6-VCC: length 34.2
  Top w0.3: JP1#3.2 21.1,25.5 24.4,22.2 C1#8.1 26,22.2 26.66,21.54 J2.1 29.28,20.27 29.28,14.67 28.8,14.2 21.1,14.2 20.65,14.65 C2#6.1 U1#5.5 ; U2#5.5 24.62,17.69 24.86,17.45 C3#7.1 25.8,17.05 25.8,14.2
Board_6-VIN: length 14.6
  Top w0.15: R2#5.1 16.1,19.5 15.03,20.58 R1.1
  Top w0.3: JP1#3.1 15.3,25.5 12.9,23.1 11.3,23.1 10,21.8 J1.1
Board_7-GND: length 13.6
  Top w0.2: R5#6.1 v1(47.25,14.8) ; C2#3.2 v1(44,16.5)
  Top w0.3: v1(44.7,19.3) U1#8.2 R4#5.1 44.7,22.35 C5.2 v1(44,22.4) ; v1(46.4,19) 47.8,19 48.2,19.4 U2#7.2 48.2,21.9 47.9,22.2 C1#3.2 v1(47.1,23.5) ; C3#8.2 50.95,18.35 51.2,18.1 v1(51.2,17.7)
Board_7-Net-(C4-Pad2): length 6.6
  Top w0.2: R8#8.1 49.91,20.6 49.62,20.31 U2#7.1 49.15,19.25 48.5,18.6 48.5,17.1 R7#9.2 49.95,16.5 C4#9.2
Board_7-Net-(J1-Pad2): length 3.1
  Top w0.15: R3#7.1 41.1,18.5 40.03,17.42 R1#6.2
Board_7-Net-(J2-Pad3): length 4.2
  Top w0.2: J2#8.3 52.99,16.46 51.8,17.65 51.8,18.2 R8#8.2
Board_7-Net-(R6-Pad2): length 0.9
  Top w0.2: R7#9.1 R6.2
Board_7-Net-(U1-+): length 1.6
  Top w0.2: U1#8.4 43.31,17.69 R3#7.2
Board_7-Net-(U1--): length 1.6
  Top w0.2: U1#8.3 43.31,20.31 R2#6.2
Board_7-Net-(U2-+): length 3.7
  Top w0.2: U2#7.3 U1#8.1 45.7,20.36 R4#5.2 45.7,22.35 C5.1
Board_7-Net-(U2--): length 4.3
  Top w0.2: C4#9.1 49.55,16 48.7,16 R6.1 R5#6.2 U2#7.4
Board_7-VCC: length 34.2
  Top w0.3: JP1.2 46.1,25.5 49.4,22.2 C1#3.1 51,22.2 51.66,21.54 J2#8.1 54.28,20.27 54.28,14.67 53.8,14.2 46.1,14.2 45.65,14.65 C2#3.1 U1#8.5 ; U2#7.5 49.62,17.69 49.86,17.45 C3#8.1 50.8,17.05 50.8,14.2
Board_7-VIN: length 14.6
  Top w0.15: R2#6.1 41.1,19.5 40.03,20.58 R1#6.1
  Top w0.3: J1#4.1 35,21.8 36.3,23.1 37.9,23.1 40.3,25.5 JP1.1
Board_8-GND: length 13.6
  Top w0.2: R5#7.1 v1(72.25,14.8) ; C2#7.2 v1(69,16.5)
  Top w0.3: v1(76.2,17.7) 76.2,18.1 75.95,18.35 C3#5.2 ; v1(72.1,23.5) C1#6.2 72.9,22.2 73.2,21.9 U2#6.2 73.2,19.4 72.8,19 v1(71.4,19) ; v1(69,22.4) C5#6.2 69.7,22.35 R4#3.1 U1#7.2 v1(69.7,19.3)
Board_8-Net-(C4-Pad2): length 6.6
  Top w0.2: C4#6.2 74.95,16.5 R7#5.2 73.5,17.1 73.5,18.6 74.15,19.25 U2#6.1 74.62,20.31 74.91,20.6 R8#4.1
Board_8-Net-(J1-Pad2): length 3.1
  Top w0.15: R1#8.2 65.03,17.42 66.1,18.5 R3#6.1
Board_8-Net-(J2-Pad3): length 4.2
  Top w0.2: R8#4.2 76.8,18.2 76.8,17.65 77.99,16.46 J2#9.3
Board_8-Net-(R6-Pad2): length 0.9
  Top w0.2: R7#5.1 R6#5.2
Board_8-Net-(U1-+): length 1.6
  Top w0.2: U1#7.4 68.31,17.69 R3#6.2
Board_8-Net-(U1--): length 1.6
  Top w0.2: U1#7.3 68.31,20.31 R2#8.2
Board_8-Net-(U2-+): length 3.7
  Top w0.2: U2#6.3 U1#7.1 70.7,20.36 R4#3.2 70.7,22.35 C5#6.1
Board_8-Net-(U2--): length 4.3
  Top w0.2: U2#6.4 R5#7.2 R6#5.1 73.7,16 74.55,16 C4#6.1
Board_8-VCC: length 34.2
  Top w0.3: U2#6.5 74.62,17.69 74.86,17.45 C3#5.1 75.8,17.05 75.8,14.2 ; U1#7.5 C2#7.1 70.65,14.65 71.1,14.2 78.8,14.2 79.28,14.67 79.28,20.27 J2#9.1 76.66,21.54 76,22.2 C1#6.1 74.4,22.2 71.1,25.5 JP1#6.2
Board_8-VIN: length 14.6
  Top w0.15: R1#8.1 65.03,20.58 66.1,19.5 R2#8.1
  Top w0.3: JP1#6.1 65.3,25.5 62.9,23.1 61.3,23.1 60,21.8 J1#6.1

## Copper pours and planes (outline as drawn; the poured copper is in the pictures)
(no net) on Top: 0,87.99 0,0.01 0.01,0 87.99,0 88,0.01 88,87.99 87.99,88 0.01,88 ; 9 cut-outs
(no net) on Bottom: 0,87.99 0,0.01 0.01,0 87.99,0 88,0.01 88,87.99 87.99,88 0.01,88 ; 9 cut-outs
Board_0-GND on Bottom: 8,80 8,58 30,58 30,80
Board_0-Net-(J1-Pad2) on Top: 8.9,68.8 8.9,66.6 14.8,66.6 14.8,68.2 11.2,68.2 11.2,68.8
Board_0-VIN on Top: 8.9,69.2 8.9,71.4 14.8,71.4 14.8,69.8 11.2,69.8 11.2,69.2
Board_1-GND on Bottom: 33,80 33,58 55,58 55,80
Board_1-Net-(J1-Pad2) on Top: 33.9,68.8 33.9,66.6 39.8,66.6 39.8,68.2 36.2,68.2 36.2,68.8
Board_1-VIN on Top: 33.9,69.2 33.9,71.4 39.8,71.4 39.8,69.8 36.2,69.8 36.2,69.2
Board_2-GND on Bottom: 58,80 58,58 80,58 80,80
Board_2-Net-(J1-Pad2) on Top: 58.9,68.8 58.9,66.6 64.8,66.6 64.8,68.2 61.2,68.2 61.2,68.8
Board_2-VIN on Top: 58.9,69.2 58.9,71.4 64.8,71.4 64.8,69.8 61.2,69.8 61.2,69.2
Board_3-GND on Bottom: 8,55 8,33 30,33 30,55
Board_3-Net-(J1-Pad2) on Top: 8.9,43.8 8.9,41.6 14.8,41.6 14.8,43.2 11.2,43.2 11.2,43.8
Board_3-VIN on Top: 8.9,44.2 8.9,46.4 14.8,46.4 14.8,44.8 11.2,44.8 11.2,44.2
Board_4-GND on Bottom: 33,55 33,33 55,33 55,55
Board_4-Net-(J1-Pad2) on Top: 33.9,43.8 33.9,41.6 39.8,41.6 39.8,43.2 36.2,43.2 36.2,43.8
Board_4-VIN on Top: 33.9,44.2 33.9,46.4 39.8,46.4 39.8,44.8 36.2,44.8 36.2,44.2
Board_5-GND on Bottom: 58,55 58,33 80,33 80,55
Board_5-Net-(J1-Pad2) on Top: 58.9,43.8 58.9,41.6 64.8,41.6 64.8,43.2 61.2,43.2 61.2,43.8
Board_5-VIN on Top: 58.9,44.2 58.9,46.4 64.8,46.4 64.8,44.8 61.2,44.8 61.2,44.2
Board_6-GND on Bottom: 8,30 8,8 30,8 30,30
Board_6-Net-(J1-Pad2) on Top: 8.9,18.8 8.9,16.6 14.8,16.6 14.8,18.2 11.2,18.2 11.2,18.8
Board_6-VIN on Top: 8.9,19.2 8.9,21.4 14.8,21.4 14.8,19.8 11.2,19.8 11.2,19.2
Board_7-GND on Bottom: 33,30 33,8 55,8 55,30
Board_7-Net-(J1-Pad2) on Top: 33.9,18.8 33.9,16.6 39.8,16.6 39.8,18.2 36.2,18.2 36.2,18.8
Board_7-VIN on Top: 33.9,19.2 33.9,21.4 39.8,21.4 39.8,19.8 36.2,19.8 36.2,19.2
Board_8-GND on Bottom: 58,30 58,8 80,8 80,30
Board_8-Net-(J1-Pad2) on Top: 58.9,18.8 58.9,16.6 64.8,16.6 64.8,18.2 61.2,18.2 61.2,18.8
Board_8-VIN on Top: 58.9,19.2 58.9,21.4 64.8,21.4 64.8,19.8 61.2,19.8 61.2,19.2

## Text on the board
Top: x100 | Power from VIN | Current Sense / Amplifier
F.Mask: x100 | Power from VIN | Current Sense / Amplifier
